# Altium PCB PCB_UDC_PlacaControle_V2.0.PcbDoc (part 2 of 7)
Units mm, origin at the board's own origin, x right, y up, seen from the top; angles counter-clockwise.
Board outline 161.76 x 100.25 mm, 6 copper layers (Top Layer, GND, Signal 1, Signal 2, VCC, Bottom Layer); 548 components, 515 nets, 2193 pads, 1225 vias.
Unrouted connection lines stored in the file: 7.
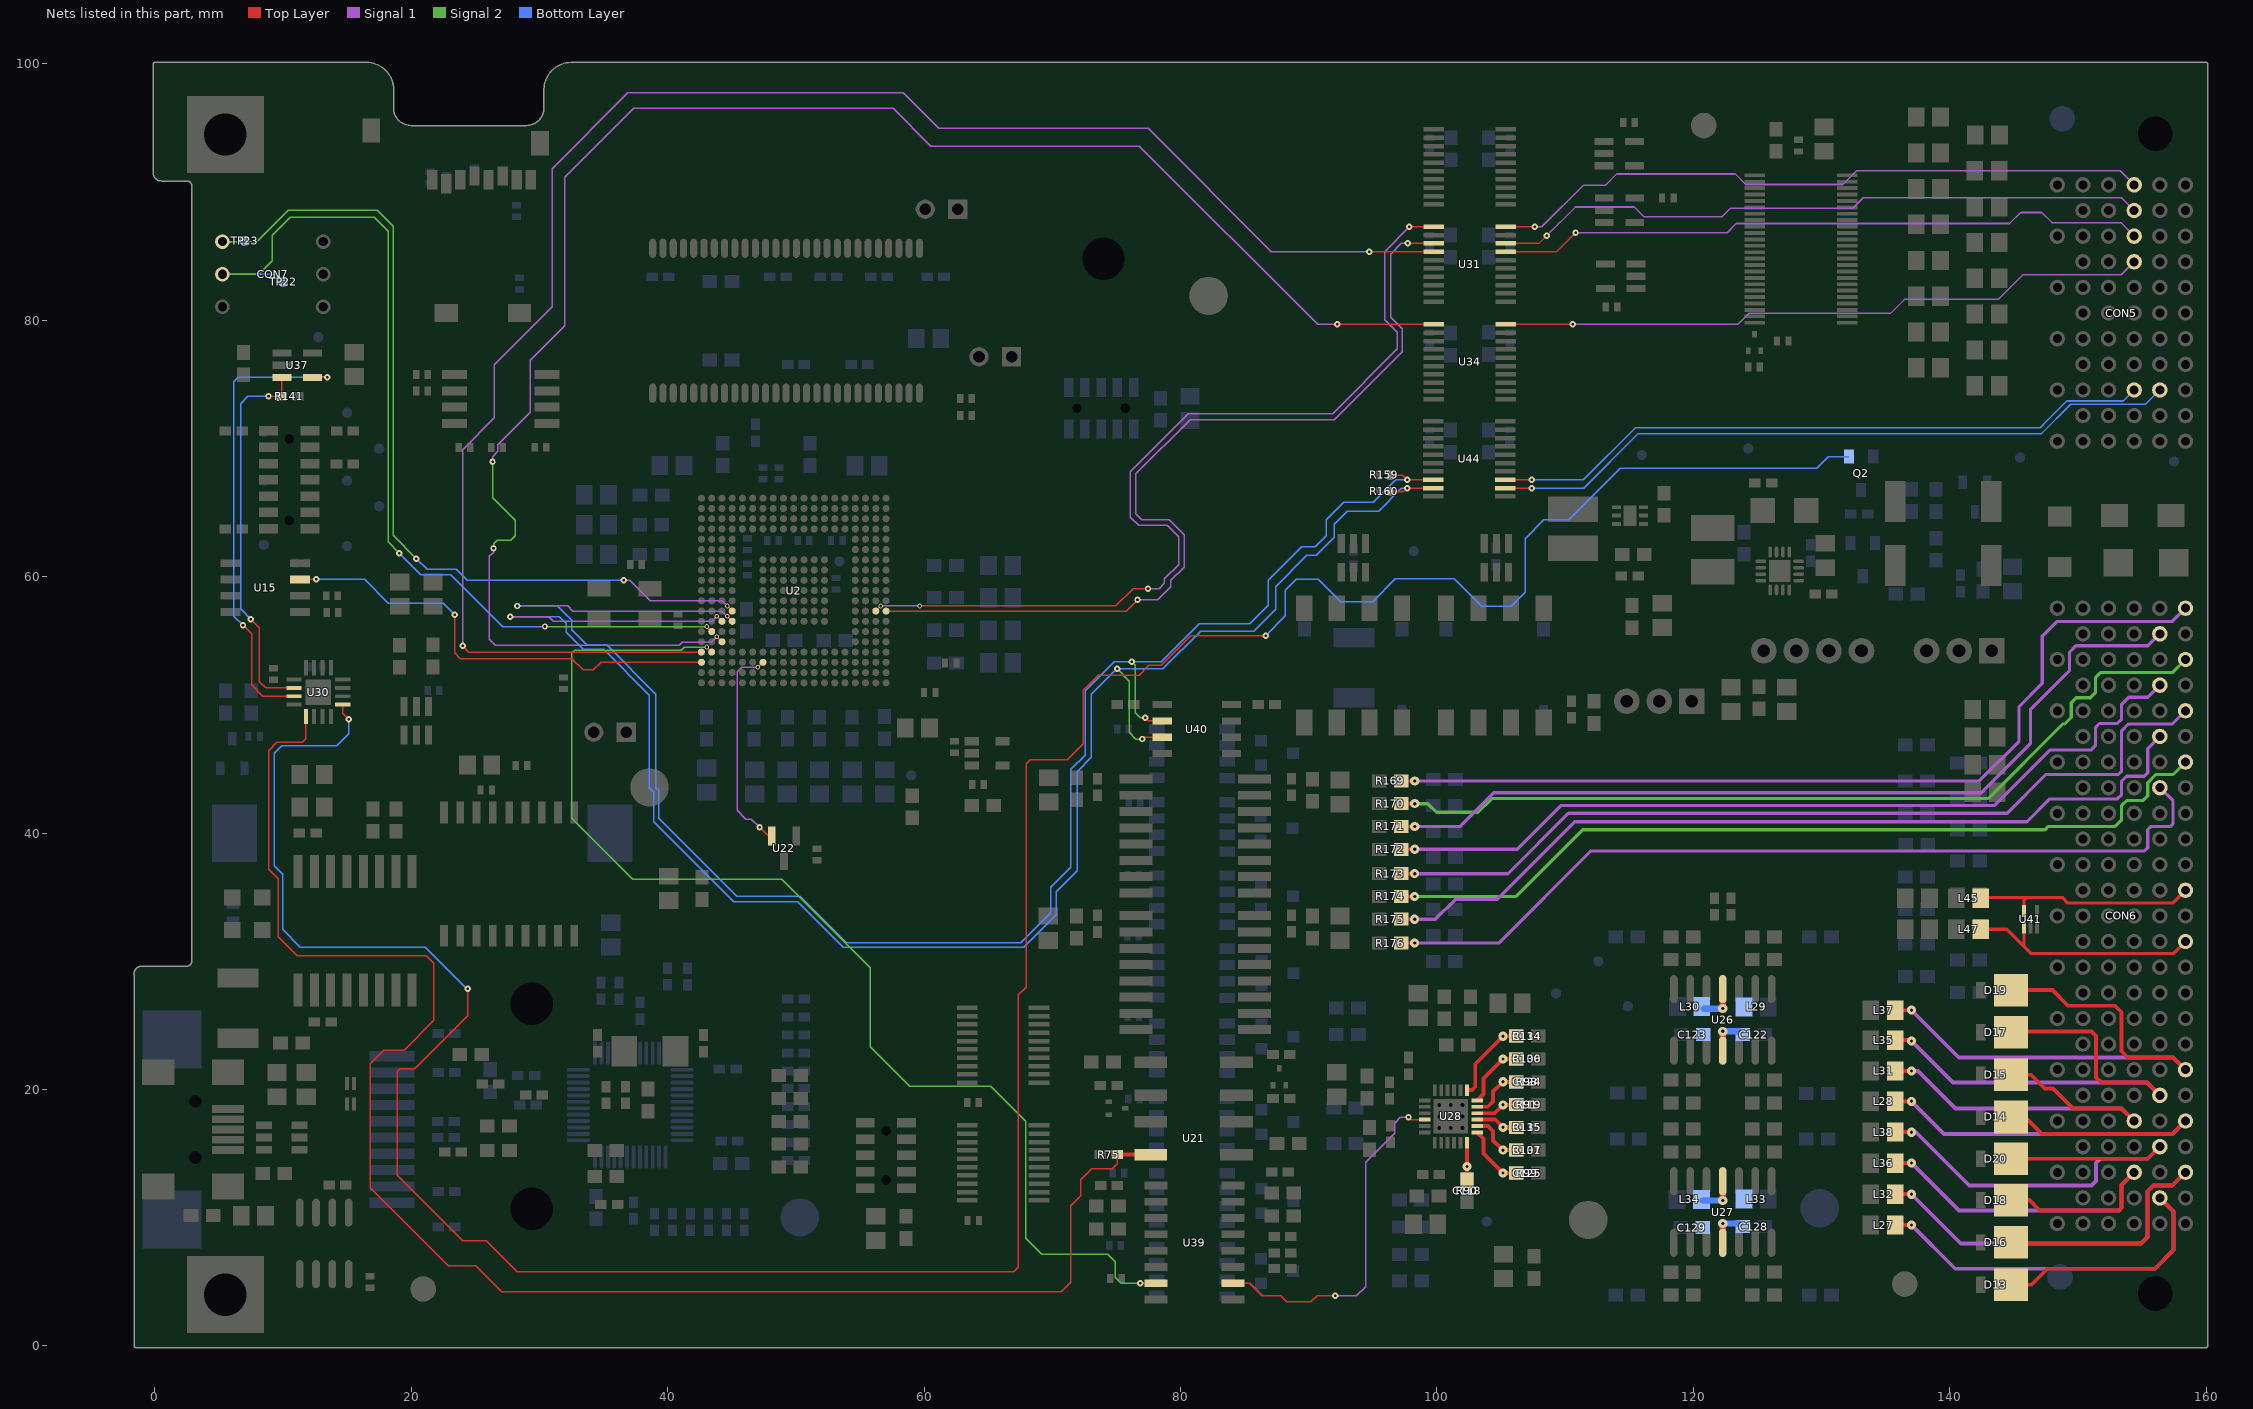
[diagram p6: the nets of this part, all layers, seen from the top]

## Footprints (in the part's own frame and the unit in brackets; to place one, negate y for a bottom-side part, rotate by r counter-clockwise, add the part's x,y. Pads: shape width x height; smd on the part's side, far side on the other; paste and mask are expansions set on the pad) (continued)
RGT16-1700X1700TP [mm] "QFN, 16-Leads, Body 3x3mm, Pitch 0.5mm, Thermal Pad 1.7x1.7mm, TI Recommended"
  oval 0.85x0.28 smd paste-0.025 mask+0.07: 1(-1.475,0.75) 2(-1.475,0.25) 3(-1.475,-0.25) 4(-1.475,-0.75) 9(1.475,-0.75) 10(1.475,-0.25) 11(1.475,0.25) 12(1.475,0.75)
  oval 0.28x0.85 smd paste-0.025 mask+0.07: 5(-0.75,-1.475) 6(-0.25,-1.475) 7(0.25,-1.475) 8(0.75,-1.475) 13(0.75,1.475) 14(0.25,1.475) 15(-0.25,1.475) 16(-0.75,1.475)
  rect 1.7x1.7 smd paste-0.85 mask+0.07: 17(0,0)
  silkscreen extent -2.5,-1.73 1.73,1.73, body extent -1.57,-1.57 1.58,1.58, height 1
SC75_SOT416 [mm]
  rect 0.356x0.508 smd: 1(0,0) 2(1,0) 3(0.5,1.295)
  silkscreen extent -0.38,0.38 1.4,1.14, body extent -0.29,-0.17 1.31,1.43, height 0.78
SIP3 [mm]
  rect 2x2 hole 1: 1(0,0)
  round 2 hole 1: 2(0,2.54) 3(0,5.08)
  silkscreen extent -6.5,-3.43 3.08,8.26, body extent -5.39,-3.21 2.16,8.29, height 10.25
SIP7 [mm] "8-SIP Module (7 Leads)"
  rect 2x2 hole 1: 1(0,-8.89)
  round 2 hole 1: 2(0,-6.35) 3(0,-3.81) 5(0,1.27) 6(0,3.81) 7(0,6.35) 8(0,8.89)
  silkscreen extent -3.2,-10.89 6,10.91, body extent -3.33,-11.15 5.87,10.65, height 11.1
SMAJ16A [mm]
  rect 2.1x1.8 smd: A(2.2,0) K(-2.2,0)
  silkscreen extent -3.94,-1.38 3.56,1.53, body extent -2.46,-1.27 2.47,1.27, height 2
SO16 [mm]
  rect 1.8x0.6 smd: 1(-3,4.445) 2(-3,3.175) 3(-3,1.905) 4(-3,0.635) 5(-3,-0.635) 6(-3,-1.905) 7(-3,-3.175) 8(-3,-4.445) 9(3,-4.445) 10(3,-3.175) 11(3,-1.905) 12(3,-0.635) 13(3,0.635) 14(3,1.905) 15(3,3.175) 16(3,4.445)
  silkscreen extent -3.12,-5.08 1.91,5.42, body extent -3.07,-4.99 3.07,4.98, height 1.77
SOIC08D [mm]
  rect 1.5x0.55 smd: 1(-2.7,1.905) 2(-2.7,0.635) 3(-2.7,-0.635) 4(-2.7,-1.905) 5(2.7,-1.905) 6(2.7,-0.635) 7(2.7,0.635) 8(2.7,1.905)
  silkscreen extent -3.17,-2.7 2.22,2.92, body extent -3,-2.45 3,2.45, height 1.75
SOIC08W [mm]
  rect 1.95x0.7 smd: 1(-3.6,1.905) 2(-3.6,0.635) 3(-3.6,-0.635) 4(-3.6,-1.905) 5(3.6,-1.905) 6(3.6,-0.635) 7(3.6,0.635) 8(3.6,1.905)
  silkscreen extent -3.72,-2.7 2.22,2.93, body extent -4.2,-2.69 4.2,2.69, height 2.3
SOIC16_Wb [mm]
  rect 2.6x0.7 smd: 1(-4.625,4.445) 2(-4.625,3.175) 3(-4.625,1.905) 4(-4.625,0.635) 5(-4.625,-0.635) 6(-4.625,-1.905) 7(-4.625,-3.175) 8(-4.625,-4.445) 9(4.625,-4.445) 10(4.625,-3.175) 11(4.625,-1.905) 12(4.625,-0.635) 13(4.625,0.635) 14(4.625,1.905) 15(4.625,3.175) 16(4.625,4.445)
  silkscreen extent -4.75,-5.25 2.93,5.47, body extent -5.31,-5.25 5.32,5.25, height 2.67
SOIC127P600X175-8N [mm] "SOIC 8, Pitch 1.27mm - Body 4x5mm, IPC Medium Density"
  rect 1.55x0.6 smd: 1(-2.7,1.905) 2(-2.7,0.635) 3(-2.7,-0.635) 4(-2.7,-1.905) 5(2.7,-1.905) 6(2.7,-0.635) 7(2.7,0.635) 8(2.7,1.905)
  silkscreen extent -2.52,-2.5 1.55,2.88, body extent -3.1,-2.5 3.1,2.5, height 1.75
SOT23 [mm]
  rect 1.1x0.8 smd: 1(-1.3,0.95) 2(-1.3,-0.95) 3(1.3,0)
  silkscreen extent -1.42,-1.5 0.7,2.02, body extent -1.25,-1.46 1.23,1.46, height 1.02
SOT23-6 [mm]
  rect 1.25x0.6 smd: 1(-1.375,0.95) 2(-1.375,0) 3(-1.375,-0.95) 4(1.375,-0.95) 5(1.375,0) 6(1.375,0.95)
  silkscreen extent -1.5,-1.5 0.35,1.97, body extent -1.48,-1.52 1.52,1.52, height 1.38
SOT95P240X130-3N [mm] "SOT23 3-Leads, Pitch 0.95mm - Body 1.3x2.9mm, IPC Medium Density"
  rect 1.05x0.65 smd: 1(-1.15,0.95) 2(-1.15,-0.95) 3(1.15,0)
  silkscreen extent -1.52,-1.45 0.3,1.92, body extent -1.25,-1.5 1.25,1.5, height 1.3
SOT-23 [mm] "SOT-23; 3 Leads; Body 3.0 x 2.6 mm, inc. leads (LxW max)"
  rect 0.9x0.95 smd: 1(-0.95,-1.25) 2(0.95,-1.25) 3(0,1.25)
  silkscreen extent -2.07,-1.37 1.3,1.25
SOT-23-TT3_N [mm] "SOT23, 3-Leads, Body 2.9x1.3mm, Pitch 0.95mm, Lead Span 2.4mm, IPC Medium Density"
  rect 1.5x0.6 smd: 1(-0.95,0.95) 2(-0.95,-0.95) 3(0.95,0)
  silkscreen extent -1.07,-1.5 0.7,1.93, body extent -0.7,-1.5 0.7,1.5, height 1.12
SOX18 [mm] "SOP, 18-Leads, Body 11,7x7,7mm (max), Pitch 1,27mm, IPC Medium Density"
  rect 1.7x0.6 smd: 1(-4.8,5.08) 2(-4.8,3.81) 3(-4.8,2.54) 4(-4.8,1.27) 5(-4.8,0) 6(-4.8,-1.27) 7(-4.8,-2.54) 8(-4.8,-3.81) 9(-4.8,-5.08) 10(4.8,-5.08) 11(4.8,-3.81) 12(4.8,-2.54) 13(4.8,-1.27) 14(4.8,0) 15(4.8,1.27) 16(4.8,2.54) 17(4.8,3.81) 18(4.8,5.08)
  silkscreen extent -4.92,-5.85 3.55,6.05, body extent -5.15,-5.77 5.15,5.76, height 2.65
TI-D14_N [mm] "SOIC, 14-Leads, Body 8.65x3.9mm, Pitch 1.27mm, IPC Medium Density"
  oval 2.2x0.6 smd: 1(-2.4,3.81) 2(-2.4,2.54) 3(-2.4,1.27) 4(-2.4,0) 5(-2.4,-1.27) 6(-2.4,-2.54) 7(-2.4,-3.81) 8(2.4,-3.81) 9(2.4,-2.54) 10(2.4,-1.27) 11(2.4,0) 12(2.4,1.27) 13(2.4,2.54) 14(2.4,3.81)
  silkscreen extent -2.52,-4.4 0.9,4.78, body extent -2,-4.38 2,4.38, height 1.75
TI-PT48_N [mm] "Thin QFP, 48-Leads, Body 7x7mm, Pitch 0.5mm, IPC Medium Density"
  oval 1.8x0.3 smd: 1(-4.05,2.75) 2(-4.05,2.25) 3(-4.05,1.75) 4(-4.05,1.25) 5(-4.05,0.75) 6(-4.05,0.25) 7(-4.05,-0.25) 8(-4.05,-0.75) 9(-4.05,-1.25) 10(-4.05,-1.75) 11(-4.05,-2.25) 12(-4.05,-2.75) 25(4.05,-2.75) 26(4.05,-2.25) 27(4.05,-1.75) 28(4.05,-1.25) 29(4.05,-0.75) 30(4.05,-0.25) 31(4.05,0.25) 32(4.05,0.75) 33(4.05,1.25) 34(4.05,1.75) 35(4.05,2.25) 36(4.05,2.75)
  oval 0.3x1.8 smd: 13(-2.75,-4.05) 14(-2.25,-4.05) 15(-1.75,-4.05) 16(-1.25,-4.05) 17(-0.75,-4.05) 18(-0.25,-4.05) 19(0.25,-4.05) 20(0.75,-4.05) 21(1.25,-4.05) 22(1.75,-4.05) 23(2.25,-4.05) 24(2.75,-4.05) 37(2.75,4.05) 38(2.25,4.05) 39(1.75,4.05) 40(1.25,4.05) 41(0.75,4.05) 42(0.25,4.05) 43(-0.25,4.05) 44(-0.75,4.05) 45(-1.25,4.05) 46(-1.75,4.05) 47(-2.25,4.05) 48(-2.75,4.05)
  silkscreen extent -4.17,-2.75 2.75,3.58, body extent -3.5,-3.5 3.5,3.5, height 1.6
TP_SMD_0.8MM#1 [mm]
  round 0.8 smd paste-1: 1(0,0)
  silkscreen extent -0.55,-0.55 0.55,0.55
TP_SMD_0.8MM#2 [mm]
  round 0.8 smd paste-1: 1(0.028,-0.014)
  silkscreen extent -0.55,-0.55 0.55,0.55
TSSOP48 [mm]
  rect 1.6x0.3 smd: 1(-3.6,5.75) 2(-3.6,5.25) 3(-3.6,4.75) 4(-3.6,4.25) 5(-3.6,3.75) 6(-3.6,3.25) 7(-3.6,2.75) 8(-3.6,2.25) 9(-3.6,1.75) 10(-3.6,1.25) 11(-3.6,0.75) 12(-3.6,0.25) 13(-3.6,-0.25) 14(-3.6,-0.75) 15(-3.6,-1.25) 16(-3.6,-1.75) 17(-3.6,-2.25) 18(-3.6,-2.75) 19(-3.6,-3.25) 20(-3.6,-3.75) 21(-3.6,-4.25) 22(-3.6,-4.75) 23(-3.6,-5.25) 24(-3.6,-5.75) 25(3.6,-5.75) 26(3.6,-5.25) 27(3.6,-4.75) 28(3.6,-4.25) 29(3.6,-3.75) 30(3.6,-3.25) 31(3.6,-2.75) 32(3.6,-2.25) 33(3.6,-1.75) 34(3.6,-1.25) 35(3.6,-0.75) 36(3.6,-0.25) 37(3.6,0.25) 38(3.6,0.75) 39(3.6,1.25) 40(3.6,1.75) 41(3.6,2.25) 42(3.6,2.75) 43(3.6,3.25) 44(3.6,3.75) 45(3.6,4.25) 46(3.6,4.75) 47(3.6,5.25) 48(3.6,5.75)
  silkscreen extent -3.73,-6.3 2.4,6.57, body extent -4.05,-6.25 4.05,6.25, height 1.1
VQFN24 [mm]
  rect 0.9x0.3 smd: 1(-2.05,1.25) 2(-2.05,0.75) 3(-2.05,0.25) 4(-2.05,-0.25) 5(-2.05,-0.75) 6(-2.05,-1.25) 13(2.05,-1.25) 14(2.05,-0.75) 15(2.05,-0.25) 16(2.05,0.25) 17(2.05,0.75) 18(2.05,1.25)
  rect 0.3x0.9 smd: 7(-1.25,-2.05) 8(-0.75,-2.05) 9(-0.25,-2.05) 10(0.25,-2.05) 11(0.75,-2.05) 12(1.25,-2.05) 19(1.25,2.05) 20(0.75,2.05) 21(0.25,2.05) 22(-0.25,2.05) 23(-0.75,2.05) 24(-1.25,2.05)
  round 0.6 hole 0.3: 25(-0.9,-0.9) 25(-0.9,0) 25(-0.9,0.9) 25(0,0.9) 25(0,0) 25(0,-0.9) 25(0.9,-0.9) 25(0.9,0) 25(0.9,0.9)
  rect 2.7x2.7 smd: 25(0,0)
  silkscreen extent -3.17,-2.1 2.1,2.1, body extent -2.05,-2.07 2.05,2.03, height 1.07
ZWT289 [mm]
  round 0.55 smd: A1(-7.2,7.2) A2(-6.4,7.2) A3(-5.6,7.2) A4(-4.8,7.2) A5(-4,7.2) A6(-3.2,7.2) A7(-2.4,7.2) A8(-1.6,7.2) A9(-0.8,7.2) A10(0,7.2) A11(0.8,7.2) A12(1.6,7.2) A13(2.4,7.2) A14(3.2,7.2) A15(4,7.2) A16(4.8,7.2) A17(5.6,7.2) A18(6.4,7.2) A19(7.2,7.2) B1(-7.2,6.4) B2(-6.4,6.4) B3(-5.6,6.4) B4(-4.8,6.4) B5(-4,6.4) B6(-3.2,6.4) B7(-2.4,6.4) B8(-1.6,6.4) B9(-0.8,6.4) B10(0,6.4) B11(0.8,6.4) B12(1.6,6.4) B13(2.4,6.4) B14(3.2,6.4) B15(4,6.4) B16(4.8,6.4) B17(5.6,6.4) B18(6.4,6.4) B19(7.2,6.4) C1(-7.2,5.6) C2(-6.4,5.6) C3(-5.6,5.6) C4(-4.8,5.6) C5(-4,5.6) C6(-3.2,5.6) C7(-2.4,5.6) C8(-1.6,5.6) C9(-0.8,5.6) C10(0,5.6) C11(0.8,5.6) C12(1.6,5.6) C13(2.4,5.6) C14(3.2,5.6) C15(4,5.6) C16(4.8,5.6) C17(5.6,5.6) C18(6.4,5.6) C19(7.2,5.6) D1(-7.2,4.8) D2(-6.4,4.8) D3(-5.6,4.8) D4(-4.8,4.8) D5(-4,4.8) D6(-3.2,4.8) D7(-2.4,4.8) D8(-1.6,4.8) D9(-0.8,4.8) D10(0,4.8) D11(0.8,4.8) D12(1.6,4.8) D13(2.4,4.8) D14(3.2,4.8) D15(4,4.8) D16(4.8,4.8) D17(5.6,4.8) D18(6.4,4.8) D19(7.2,4.8) E1(-7.2,4) E2(-6.4,4) E3(-5.6,4) E4(-4.8,4) E16(4.8,4) E17(5.6,4) E18(6.4,4) E19(7.2,4) F1(-7.2,3.2) F2(-6.4,3.2) F3(-5.6,3.2) F4(-4.8,3.2) F16(4.8,3.2) F17(5.6,3.2) F18(6.4,3.2) F19(7.2,3.2) G1(-7.2,2.4) G2(-6.4,2.4) G3(-5.6,2.4) G4(-4.8,2.4) G7(-2.4,2.4) G8(-1.6,2.4) G9(-0.8,2.4) G10(0,2.4) G11(0.8,2.4) G12(1.6,2.4) G13(2.4,2.4) G16(4.8,2.4) G17(5.6,2.4) G18(6.4,2.4) G19(7.2,2.4) H1(-7.2,1.6) H2(-6.4,1.6) H3(-5.6,1.6) H4(-4.8,1.6) H7(-2.4,1.6) H8(-1.6,1.6) H9(-0.8,1.6) H10(0,1.6) H11(0.8,1.6) H12(1.6,1.6) H13(2.4,1.6) H16(4.8,1.6) H17(5.6,1.6) H18(6.4,1.6) H19(7.2,1.6) J1(-7.2,0.8) J2(-6.4,0.8) J3(-5.6,0.8) J4(-4.8,0.8) J7(-2.4,0.8) J8(-1.6,0.8) J9(-0.8,0.8) J10(0,0.8) J11(0.8,0.8) J12(1.6,0.8) J13(2.4,0.8) J16(4.8,0.8) J17(5.6,0.8) J18(6.4,0.8) J19(7.2,0.8) K1(-7.2,0) K2(-6.4,0) K3(-5.6,0) K4(-4.8,0) K7(-2.4,0) K8(-1.6,0) K9(-0.8,0) K10(0,0) K11(0.8,0) K12(1.6,0) K13(2.4,0) K16(4.8,0) K17(5.6,0) K18(6.4,0) K19(7.2,0) L1(-7.2,-0.8) L2(-6.4,-0.8) L3(-5.6,-0.8) L4(-4.8,-0.8) L7(-2.4,-0.8) L8(-1.6,-0.8) L9(-0.8,-0.8) L10(0,-0.8) L11(0.8,-0.8) L12(1.6,-0.8) L13(2.4,-0.8) L16(4.8,-0.8) L17(5.6,-0.8) L18(6.4,-0.8) L19(7.2,-0.8) M1(-7.2,-1.6) M2(-6.4,-1.6) M3(-5.6,-1.6) M4(-4.8,-1.6) M7(-2.4,-1.6) M8(-1.6,-1.6) M9(-0.8,-1.6) M10(0,-1.6) M11(0.8,-1.6) M12(1.6,-1.6) M13(2.4,-1.6) M16(4.8,-1.6) M17(5.6,-1.6) M18(6.4,-1.6) M19(7.2,-1.6) N1(-7.2,-2.4) N2(-6.4,-2.4) N3(-5.6,-2.4) N4(-4.8,-2.4) N7(-2.4,-2.4) N8(-1.6,-2.4) N9(-0.8,-2.4) N10(0,-2.4) N11(0.8,-2.4) N12(1.6,-2.4) N13(2.4,-2.4) N16(4.8,-2.4) N17(5.6,-2.4) N18(6.4,-2.4) N19(7.2,-2.4) P1(-7.2,-3.2) P2(-6.4,-3.2) P3(-5.6,-3.2) P4(-4.8,-3.2) P16(4.8,-3.2) P17(5.6,-3.2) P18(6.4,-3.2) P19(7.2,-3.2) R1(-7.2,-4) R2(-6.4,-4) R3(-5.6,-4) R4(-4.8,-4) R16(4.8,-4) R17(5.6,-4) R18(6.4,-4) R19(7.2,-4) T1(-7.2,-4.8) T2(-6.4,-4.8) T3(-5.6,-4.8) T4(-4.8,-4.8) T5(-4,-4.8) T6(-3.2,-4.8) T7(-2.4,-4.8) T8(-1.6,-4.8) T9(-0.8,-4.8) T10(0,-4.8) T11(0.8,-4.8) T12(1.6,-4.8) T13(2.4,-4.8) T14(3.2,-4.8) T15(4,-4.8) T16(4.8,-4.8) T17(5.6,-4.8) T18(6.4,-4.8) T19(7.2,-4.8) U1(-7.2,-5.6) U2(-6.4,-5.6) U3(-5.6,-5.6) U4(-4.8,-5.6) U5(-4,-5.6) U6(-3.2,-5.6) U7(-2.4,-5.6) U8(-1.6,-5.6) U9(-0.8,-5.6) U10(0,-5.6) U11(0.8,-5.6) U12(1.6,-5.6) U13(2.4,-5.6) U14(3.2,-5.6) U15(4,-5.6) U16(4.8,-5.6) U17(5.6,-5.6) U18(6.4,-5.6) U19(7.2,-5.6) V1(-7.2,-6.4) V2(-6.4,-6.4) V3(-5.6,-6.4) V4(-4.8,-6.4) V5(-4,-6.4) V6(-3.2,-6.4) V7(-2.4,-6.4) V8(-1.6,-6.4) V9(-0.8,-6.4) V10(0,-6.4) V11(0.8,-6.4) V12(1.6,-6.4) V13(2.4,-6.4) V14(3.2,-6.4) V15(4,-6.4) V16(4.8,-6.4) V17(5.6,-6.4) V18(6.4,-6.4) V19(7.2,-6.4) W1(-7.2,-7.2) W2(-6.4,-7.2) W3(-5.6,-7.2) W4(-4.8,-7.2) W5(-4,-7.2) W6(-3.2,-7.2) W7(-2.4,-7.2) W8(-1.6,-7.2) W9(-0.8,-7.2) W10(0,-7.2) W11(0.8,-7.2) W12(1.6,-7.2) W13(2.4,-7.2) W14(3.2,-7.2) W15(4,-7.2) W16(4.8,-7.2) W17(5.6,-7.2) W18(6.4,-7.2) W19(7.2,-7.2)
  silkscreen extent -8.3,-8.3 8.3,8.3, body extent -8.05,-8.05 8.05,8.05, height 1.5

## Part data
BT1: "HOLDER COIN CELL 2032 SMD"
C1 C2 C3 C4 C8 C9 C10 C12 C15 C16 C17 C18 C23 C24 C29 C30 C35 C36 C41 C42 C45 C46 C47 C48 C49 C50 C51 C52 C53 C54 C57 C62 C64 C68 C70 C73 C75 C104 C105 C108 C109 C111 C115 C141 C142 C145 C148 C149 C152 C153 C155 C156 C158 C159 C161 C162 C163 C167 C169 C170 C172 C173 C174 C175 C176 C177 C179 C180 C183 C184 C186 C190 C191: library part "Cap Ceram 0402", "CAP CER 0.1UF 10V 10% X5R 0402"
C5 C6: library part "Cap Ceram 0402", "CAP CER 10PF 50V 5% NP0 0402"
C7 C43 C44 C55 C56 C74 C76 C146 C164 C178 C181 C182 C185 C188 C189: library part "Cap Ceram 0603", "CAP CER 10UF 16V 20% X5R 0603"
C11 C14 C69 C143 C144 C147 C150 C151 C154 C157 C160 C168 C171 C187 C192: library part "Cap Ceram 0603", "CAP CER 1UF 16V 10% X7R 0603"
C13: library part "Cap Ceram 0402", "CAP CER 10000PF 16V 10% X7R 0402"
C19 C20 C21 C22 C25 C26 C27 C28 C31 C32 C33 C34 C37 C38 C39 C40 C65 C66 C72 C112 C114 C122 C123 C128 C129 C166: library part "Cap Ceram 0603", "CAP CER 0.1UF 50V 10% X7R 0603"
C58 C59: library part EEE-HAV101XAP, "CAP ALUM 100UF 35V 20% SMD"
C60 C71 C110 C113 C165: library part "Cap Ceram 0805", "CAP CER 10UF 35V 10% X5R 0805"
C61: library part "Cap Ceram 1206", "CAP CER 22UF 16V 20% X5R 1206"
C63: library part "Cap Ceram 0402", "CAP CER 3300PF 25V 10% X7R 0402"
C67 C117: library part "Cap Ceram 1812", "CAP CER 10000PF 1.5KV X7R 1812"
C77 C78 C79 C88 C89 C90 C91 C92 C93 C94 C95 C96 C97 C98 C99 C100 C101 C102 C103: library part "Cap Ceram 0603", "CAP CER 2.2UF 10V 10% X7R 0603"
C80 C81 C82 C83 C84 C85 C86 C87: library part "Cap Ceram 0402", "CAP CER 0.47UF 6.3V 10% X5R 0402"
C106 C107: library part "Cap Ceram 0402", "CAP CER 15PF 50V 5% NP0 0402"
C116: library part "Cap Ceram 0603", "CAP CER 1000PF 50V 10% X7R 0603"
C118 C119 C124 C125 C130 C131 C134 C135: library part "Cap Ceram 0603", "CAP CER 1200PF 25V 5% NP0 0603"
C120 C121 C126 C127 C132 C133 C136 C137: library part "Cap Ceram 0603", "CAP CER 0.18UF 25V 10% X7R 0603"
C138 C139 C140: library part "Cap Ceram 0603", "CAP CER 1UF 50V 20% X5R 0603"
CON1: "Conector RJ45 Ethernet, com trafo, SMD, LINK-PP"
CON2: "CONN MICRO SD CARD PUSH-PUSH R/A"
CON3: "CONN RCPT 14POS DUAL .05\" SMD"
CON4: "SAMTEC - MUSB-05-S-B-SM-A-K-TR - CONNECTOR, MINI USB B, RECEPTACLE, SMT"
CON5: library part ERNI_374047
CON6: library part ERNI_354144
CON7: "CONN RCPT 6POS .100\" DUAL HORZ"
CON8 CON10: "CONN RCPT 10POS DUAL .05\" SMD"
CON9 CON11 TP1: "Header, 2-Pin"
D1 D2 D3 D4 D5 D6 D7 D8: "DIODE ARRAY 85V 140MA SOT23"
D9: "DIODE GEN PURP 50V 2A DO214AA"
D10: "TVS DIODE 16VWM SMD"
D11 D12: "Diode Zener Anode Pin 1 Cathode Pin 3 (Pas de pin 2)"
D13 D14 D15 D16 D17 D18 D19 D20: "TVS DIODE 10VWM 18VC POWRMITE1"
L1 L5 L7 L8 L9 L10 L43 L48 L49 L50 L51 L53 L54: library part "Ferrite Bead 0805", "FERRITE CHIP 220 OHM 0805"
L2: library part "Indutor 2.2uH 2A", "FIXED IND 2.2UH 1.72A 59 MOHM"
L3: library part "Indutor 3.3uH 2.9A", "Fixed Inductors Power Inductor 3.3 uH 20 % 5.2 A"
L4: library part BLM41PG600SN1L, "FERRITE CHIP 60 OHM 6000MA 1806"
L6 L23 L24 L26 L27 L28 L29 L30 L31 L32 L33 L34 L35 L36 L37 L38 L39 L40 L41 L42 L52: library part "Ferrite Bead 0805", "FERRITE BEAD,SMD 0805,220 OHMS"
L11 L12 L13 L14 L15 L16 L17 L18 L19 L20 L21 L22: library part "Ferrite Bead 0805", "FERRITE BEAD 60 OHM 0805"
L25: "CHOKE COIL COMMON MODE 150MA SMD"
L44 L45 L46 L47: library part "Ferrite Bead 0805", "FERRITE CHIP 1000 OHM 400MA 0603"
LD1 LD2 LD3 LD4 LD5 LD6: "LED SUPER RED CLEAR 0805 SMD"
Q1: "TRANS PREBIAS PNP 246MW SOT23-3"
Q2: "TRANS PREBIAS NPN 246MW SOT23-3"
Q3 Q4 Q5: "MOSFET N-CH 30V 154MA SOT-416"
R1 R2 R3 R4 R88 R89 R96 R97 R104 R105 R112 R113 R147 R148 R169 R170 R171 R172 R173 R174 R175 R176: library part "Resistor 0603", "RES 49.9 OHM 1/10W .1% 0603 SMD"
R5 R6 R7 R8 R9 R10 R11 R12 R13 R14 R15 R17 R18 R19 R20 R21 R22: library part "Resistor 0402", "RES 33 OHM 1/16W 5% 0402 SMD"
R16 R30 R31 R32 R33 R34: library part "Resistor 0603", "RES SMD 2.2K OHM 5% 1/10W 0603"
R23 R24 R25 R26 R29 R77 R82 R83: library part "Resistor 0402", "RES 2.21K OHM 1/10W 1% 0402 SMD"
R27 R28 R38: library part "Resistor 0402", "RES 330 OHM 1/16W 5% 0402 SMD"
R35: library part "Resistor 0603", "RES 4.87K OHM 1/10W 1% 0603 SMD"
R36 R37 R60 R61 R62 R63 R64 R66 R73 R75 R121 R138 R139 R141 R178 R179 R180: library part "Resistor 0402", "RES 10K OHM 1/16W 5% 0402 SMD"
R39 R40 R41 R42 R43 R44 R45 R46 R47 R48 R49 R50 R51 R52 R53 R54: library part "Resistor 0603", "RES 330 OHM 1/10W 5% 0603 SMD"
R57 R58 R59 R65 R149 R150 R151 R152 R153 R154 R155 R156: library part "Resistor 0402", "RES 49.9 OHM 1/10W 1% 0402 SMD"
R67 R84 R85 R157 R158 R159 R160: library part "Resistor 0402", "RES 4.99K OHM 1/10W 1% 0402 SMD"
R68 R94 R95 R102 R103 R110 R111 R118 R119: library part "Resistor 0603", "RES,SMD 0603,100K OHM,5%,1/10 WATT"
R69 R70 R71: library part "Resistor 0603", "RES 10K OHM 1/10W 1% 0603 SMD"
R72: library part "Resistor 0603", "RES 2.00K OHM 1/8W 1% SMD 0603"
R74 R142 R143 R144 R145 R146 R177: library part "Resistor 0603", "RES 499 OHM 1/10W 1% 0603 SMD"
R76: library part "Resistor 0603", "RES 1.00K OHM 1/8W 1% SMD 0603"
R78 R79 R80 R81: library part "Resistor 0402", "RES SMD 57.6K OHM 1% 1/10W 0402"
R86 R87: library part "Resistor 0603", "RES 24 OHM 1/10W 1% 0603 SMD"
R90 R91 R98 R99 R106 R107 R114 R115: library part "Resistor 0603", "RES SMD 20 OHM 1% 1/10W 0603"
R92 R93 R100 R101 R108 R109 R116 R117: library part "Resistor 0603", "RES 180 OHM 1/10W 1% 0603 SMD"
R122 R123 R124 R125 R126 R127 R128 R129 R130 R131 R132 R133 R134 R135 R136 R137: library part "Resistor 0805", "RES 110 OHM 1/8W 5% 0805 SMD"
R161 R162 R165 R166: library part "Resistor 0603", "RES 680 OHM 1/10W 5% 0603 SMD"
R163 R164 R167 R168: library part "Resistor 0805", "RES 160 OHM 1/2W 5% 0805 SMD"
SW1: "SWITCH TACTILE SPST-NO 0.1A 24V"
TP2 TP3 TP4 TP5 TP6 TP7 TP8 TP9 TP10 TP11 TP12 TP13 TP14 TP15 TP16 TP17 TP18 TP19 TP20 TP21 TP22 TP23: "Test Point SMD diâmetro de 0,8mm"
U1: "Industrial Temp, Single Port 10/100 Mb/s Ethernet Physical Layer Transceiver, -40 to 85 degC, 48-Pin LQFP (PT), Green (RoHS & no Sb/Br)"
U2: library part F28M36P63C2_ZWT_, "ARM Microcontrollers - MCU Concerto Microcntrlr"
U3 U4 U5 U6 U7 U8 U9 U10: "ISOLATOR 2.5KVRMS 2CH TOTEM 8SO"
U11 U12: "IC INVERTER 8-INPUT 20TSSOP"
U13: library part MICT-MT48LC32M16A2P-54, "IC SDRAM 512MBIT 133MHZ 54TSOP"
U14: "IC FLASH 128MBIT 104MHZ 8SOIC"
U15: "IC EEPROM 64KBIT 1MHZ 8SOIC"
U16: "Buck Step Down Regulator with 2.3 to 6 V Input and 3.3 V Output, -40 to 85 degC, 6-Pin SON (DRV), Green (RoHS & no Sb/Br)"
U17: "Buck Step Down Regulator with 3 to 17 V Input and 5 V Output, -40 to 85 degC, 16-Pin QFN (RGT), Green (RoHS & no Sb/Br)"
U18: "Tiny Power On Reset Circuit, 5-pin SOT-23"
U19: "CONV DC/DC 5V 500MA OUT THRU"
U20: "CONV DC/DC 2W 4.5-9VIN +/-15V"
U21 U51: "OPTOISO 3.75KV TRANSISTOR 4SOIC"
U22: "Low-Power Linear Active Thermistor IC, 3-Pin SOT-23, Extended Temperature, Tape and Reel"
U23: "DGTL ISO 2.5KV GEN PURP 8SOIC"
U24: "DGTL ISOLATOR 5KV 2CH USB 16SOIC"
U25: "TVS DIODE 5.25VWM 17VC SOT23-6"
U26 U27: "11 MHz, Single Supply, Low Noise, Precision, Rail-to-Rail Output, JFET Amplifier, 4.5 to 36 V, -40 to 125 degC, 14-pin SOIC (D14), Green (RoHS & no Sb/Br)"
U28: "IC ADC 12B SPI 1MSPS 8CH 24VQFN"
U29 U31 U34 U44: "IC 8-BIT TRNSTR 15KV ESD 20TSSOP"
U30: "IC I/O EXPANDER I2C 8B 16HVQFN"
U32 U33 U35: "IC GATE AND 1CH 2-INP SOT-23-5"
U36: "IC BUFF DVR 16BIT N-INV 48TSSOP"
U37: library part TPS2051B_DBV_5, "IC PWR DIST SWITCH SNGL SOT23-5"
U38 U43 U46: "IC INVERTER DUAL 1INPUT SOT23-6"
U39: "DGTL ISO 3.75KV GEN PURP 16SOIC"
U40: "IC DGTL ISO 4CH I2C 8SOIC"
U41: library part TPD4E002_DRL_5, "TVS DIODE 3VWM SOT5"
U42 U45: "OPTOCPLR LOG-OUT 2CH 5MBD GW SMD"
U47 U49: "DGTL ISO 2.5KV GEN PURP 16SOIC"
U52: "IC RTC CLK/CALENDAR I2C 18-SOX"
X1: library part NX5032GA-25.000000MHZ-LN-CD-1, "CRYSTAL 25MHZ 8PF SMD"
X2: "CRYSTAL 20MHZ 10PF SMD"

## Free pads (board coordinates)
  round 3 smd paste-5: 0(38.583,43.572) 0(82.194,81.915) 0(111.811,9.836)
  round 3 smd far side paste-5: 0(50.317,10.033) 0(82.194,81.915) 0(129.87,10.744)
  round 0 hole 2.7 unplated: 0(156.05,4.092) 0(156.05,94.567)
  round 0 hole 3.3 unplated: MEC(29.4,10.7) MEC(29.4,26.7) MEC(74,84.8)
  rect 6x6 hole 3.3 paste-5: SH(5.5,4) SH(5.5,94.5)

## Via types
v1: diameter 0.711, hole 0.254, Top Layer to Bottom Layer, tented both sides, 600 vias
v2: diameter 0.5, hole 0.2, Top Layer to Bottom Layer, tented both sides, 404 vias
v3: diameter 0.36, hole 0.2, Top Layer to Bottom Layer, tented both sides, 212 vias
v4: diameter 0.5, hole 0.2, Top Layer to Bottom Layer, tented top, 5 vias
v5: diameter 0.5, hole 0.254, Top Layer to Bottom Layer, tented both sides, 2 vias
v6: diameter 0.5, hole 0.2, Top Layer to Bottom Layer, 2 vias

## Nets (pads, with @x,y where several pads share a name; then routed paths per layer and width w, separated by ;. In a path a pad name is that pad's centre, name@x,y a point inside that pad or via, vN(x,y) a via of type N, cw(c..) or ccw(c..) an arc to the next point about the centre after c; other vN are vias at no path point)
+15V_1: C122.2 L29.1 U26.4 | length 2.8
  Top Layer w0.5: U26.4@122.305,23.034 v1(122.305,24.541)
  Bottom Layer w0.5: v1(122.305,24.541) C122.2@123.597,24.541
+15V_2: C128.2 L33.1 U27.4 | length 2.8
  Top Layer w0.5: U27.4@122.301,8.048 v1@122.301,9.551
  Bottom Layer w0.5: v1(122.305,9.555) C128.2@123.597,9.555
-15V_1: C123.1 L30.1 U26.11 | length 3
  Top Layer w0.5: v1(122.305,26.319) U26.11@122.305,27.834
  Bottom Layer w0.5: L30.1@120.828,26.319 v1(122.305,26.319)
-15V_2: C129.1 L34.1 U27.11 | length 3.1
  Top Layer w0.5: v1(122.301,11.348) U27.11@122.301,12.848
  Bottom Layer w0.5: L34.1@120.721,11.348 v1(122.301,11.348)
ADC_AD: U28.22 U39.10 | length 29.2
  Top Layer w0.102: U39.10@84.084,4.894 85.402,4.894 86.386,3.911 87.808,3.911 88.29,3.429 90.171,3.429 90.653,3.911 v2(92.075,3.911) ; v2(97.79,17.843) 97.977,17.656 U28.22@99.041,17.656
  Signal 1 w0.102: 85.402,4.894 86.386,3.911 ; v2(92.075,3.911) 93.726,3.911 94.45,4.634 94.45,14.347 96.703,16.6 96.703,17.391 97.155,17.843 v2(97.79,17.843)
ADC_AD_I: U2.D18 U39.7 | length 94.4
  Top Layer w0.102: v3(43.042,54.521) U2.D18@43.435,54.128 ; v2(76.861,4.894) U39.7@78.084,4.894
  Signal 2 w0.102: v3(43.042,54.521) 41.288,54.521 41.046,54.28 32.766,54.28 32.512,54.026 32.512,41.148 37.262,36.398 48.895,36.398 55.804,29.489 55.804,23.343 58.903,20.244 65.202,20.244 67.92,17.526 67.92,8.407 69.19,7.137 74.346,7.137 74.93,6.553 74.93,5.359 75.395,4.894 v2(76.861,4.894)
AIN0: C134.2 R114.2 U28.13 | length 7.6
  Top Layer w0.3: U28.13@102.341,19.956 102.73,19.956 102.997,20.223 102.997,22.001 v1(105.156,24.16) ; v1@105.124,24.181 C134.2@106.145,24.181
  Bottom Layer w0.3: v1@105.124,24.181 R114.2@106.145,24.181
AIN1: C130.2 R106.2 U28.12 | length 6.1
  Top Layer w0.3: U28.12@103.141,19.156 103.632,19.647 103.632,20.862 v1(105.156,22.386) C130.2@106.198,22.386
  Bottom Layer w0.3: v1(105.156,22.386) R106.2@106.198,22.386
AIN2: C124.2 R98.2 U28.11 | length 5.4
  Top Layer w0.3: U28.11@103.141,18.656 103.975,18.656 104.394,19.075 104.394,19.846 v1(105.156,20.608) C124.2@106.198,20.608
  Bottom Layer w0.3: v1(105.156,20.608) R98.2@106.198,20.608
AIN3: C119.2 R91.2 U28.10 | length 4.3
  Top Layer w0.3: U28.10@103.141,18.156 104.506,18.156 v1(105.156,18.806) C119.2@106.174,18.806
  Bottom Layer w0.3: v1(105.156,18.806) R91.2@106.174,18.806
AIN4: C135.2 R115.2 U28.9 | length 4.3
  Top Layer w0.3: U28.9@103.141,17.656 104.552,17.656 v1(105.156,17.052) C135.2@106.198,17.052
  Bottom Layer w0.3: v1(105.156,17.052) R115.2@106.198,17.052
AIN5: C131.2 R107.2 U28.8 | length 5.3
  Top Layer w0.3: U28.8@103.141,17.156 103.986,17.156 104.394,16.748 104.394,16.036 v1(105.156,15.274) C131.2@106.198,15.274
  Bottom Layer w0.3: v1(105.156,15.274) R107.2@106.198,15.274
AIN6: C125.2 R99.2 U28.7 | length 6.1
  Top Layer w0.3: U28.7@103.141,16.656 103.632,16.165 103.632,15.02 v1(105.156,13.496) C125.2@106.186,13.496
  Bottom Layer w0.3: v1(105.156,13.496) R99.2@106.186,13.496
AIN7: C118.2 R90.2 U28.6 | length 3.9
  Top Layer w0.3: v1@102.341,14.004 U28.6@102.341,15.856 ; C118.2@102.362,12.962 v1(102.362,14.004)
  Bottom Layer w0.3: R90.2@102.362,12.962 v1(102.362,14.004)
ANI0: CON6.A19 D19.1 L37.1 | length 42.5
  Top Layer w0.3: L37.1@135.758,26.192 v1(137.033,26.192) ; D19.1@144.78,27.763 148.026,27.763 149.246,26.543 152.908,26.543 153.416,26.035 153.416,22.987 153.894,22.509 157.438,22.509 CON6.A19@158.4,21.547
  Signal 1 w0.3: v1(137.033,26.192) 140.716,22.509 157.438,22.509 CON6.A19@158.4,21.547
ANI1: CON6.B20 D17.1 L35.1 | length 37.9
  Top Layer w0.3: L35.1@135.758,23.855 v1@136.957,23.855 ; D17.1@144.78,24.461 144.86,24.541 151.076,24.541 151.428,24.19 151.428,20.955 151.837,20.546 155.401,20.546 CON6.B20@156.4,19.547
  Signal 1 w0.3: v1(137.033,23.779) 140.266,20.546 155.401,20.546 CON6.B20@156.4,19.547
ANI2: CON6.C21 D15.1 L31.1 | length 31.4
  Top Layer w0.3: L31.1@135.758,21.455 v1(137.033,21.455) ; D15.1@144.78,21.159 146.354,21.159 147.417,20.096 148.069,20.096 149.63,18.535 153.412,18.535 CON6.C21@154.4,17.547
  Signal 1 w0.3: v1(137.033,21.455) 137.534,21.455 140.454,18.535 153.412,18.535 CON6.C21@154.4,17.547
ANI3: CON6.A21 D14.1 L28.1 | length 38.7
  Top Layer w0.3: L28.1@135.758,19.08 v1(137.033,19.08) ; D14.1@144.78,17.862 145.894,17.862 147.21,16.546 157.399,16.546 CON6.A21@158.4,17.547
  Signal 1 w0.3: v1(137.033,19.08) 139.567,16.546 157.399,16.546 CON6.A21@158.4,17.547
ANI4: CON6.B22 D20.1 L38.1 | length 36.4
  Top Layer w0.3: L38.1@135.758,16.683 v1@137.017,16.683 ; D20.1@144.78,14.614 144.789,14.605 155.458,14.605 CON6.B22@156.4,15.547
  Signal 1 w0.3: v1(137.033,16.667) 137.384,16.667 141.537,12.514 151.076,12.514 151.428,12.866 151.428,14.263 151.77,14.605 155.458,14.605 CON6.B22@156.4,15.547
ANI5: CON6.C23 D18.1 L36.1 | length 34.7
  Top Layer w0.3: L36.1@135.758,14.258 v1@137.027,14.258 ; D18.1@144.78,11.38 146.225,11.38 147.034,10.571 153.201,10.571 153.416,10.786 153.416,12.563 CON6.C23@154.4,13.547
  Signal 1 w0.3: v1(137.033,14.264) 140.726,10.571 153.201,10.571 153.416,10.786 153.416,12.563 CON6.C23@154.4,13.547
ANI6: CON6.A23 D16.1 L32.1 | length 46.6
  Top Layer w0.3: L32.1@135.758,11.841 v1@137.028,11.841 ; D16.1@144.78,8.078 144.857,8.001 154.94,8.001 155.448,8.509 155.448,12.065 155.897,12.514 157.367,12.514 CON6.A23@158.4,13.547
  Signal 1 w0.3: v1(137.033,11.836) 140.868,8.001 154.94,8.001 155.448,8.509 155.448,12.065 155.897,12.514 157.367,12.514 CON6.A23@158.4,13.547
ANI7: CON6.B24 D13.1 L27.1 | length 46.5
  Top Layer w0.3: L27.1@135.758,9.428 v1(137.033,9.428) ; D13.1@144.78,4.776 146.381,4.776 147.629,6.024 156.011,6.024 157.46,7.473 157.46,10.487 CON6.B24@156.4,11.547
  Signal 1 w0.3: v1(137.033,9.428) 140.437,6.024 156.011,6.024 157.46,7.473 157.46,10.487 CON6.B24@156.4,11.547
BOARD_TEMP: U2.C13 U22.2 | length 16.6
  Top Layer w0.102: v3(47.042,52.935) U2.C13@47.435,53.328 ; v2(47.168,40.462) 47.843,39.787 U22.2@48.123,39.787
  Signal 1 w0.102: v3(47.042,52.935) 45.772,52.935 45.428,52.591 45.428,41.77 46.101,41.097 46.533,41.097 v2(47.168,40.462)
BP_I2C_SCL: R160.2 U2.G17 U40.3 U44.9 | length 140.3
  Top Layer w0.102: v3(43.842,56.921) U2.G17@44.235,56.528 ; v2(77.013,47.346) 77.149,47.482 U40.3@78.58,47.482
  Top Layer w0.127: R160.2@96.353,66.65 97.423,66.65 v2(97.688,66.915) U44.9@99.74,66.915
  Signal 1 w0.102: v2(27.711,56.896) 30.709,56.896 31.064,56.54 43.461,56.54 v3(43.842,56.921)
  Signal 2 w0.102: v2(75.057,52.832) 76.022,51.867 76.022,47.854 76.53,47.346 v2(77.013,47.346)
  Bottom Layer w0.102: v2(27.711,56.896) 31.547,56.896 32.08,56.363 32.08,55.677 33.426,54.331 35,54.331 38.557,50.774 38.557,43.533 38.913,43.177 38.913,40.894 45.161,34.646 50.14,34.646 53.696,31.09 67.767,31.09 70.307,33.63 70.307,35.433 71.933,37.059 71.933,44.806 73.05,45.923 73.05,50.825 75.032,52.807 78.638,52.807 81.585,55.753 85.725,55.753 87.427,57.455 87.427,59.233 89.865,61.671 90.602,61.671 91.999,63.068 91.999,64.11 93.015,65.126 95.453,65.126 97.242,66.915 v2(97.688,66.915)
BP_I2C_SCL_5V: CON5.B9 U44.12 | length 54.2
  Top Layer w0.127: U44.12@105.34,66.915 v2(107.391,66.915)
  Bottom Layer w0.127: v2(107.391,66.915) 111.466,66.915 115.722,71.171 147.168,71.171 149.454,73.457 155.285,73.457 CON5.B9@156.4,74.572
BP_I2C_SCL_ISO: CON6.A14 L47.2 U41.1 | length 18.6
  Top Layer w0.254: L47.2@142.42,32.512 144.457,32.512 146.362,30.607 157.46,30.607 CON6.A14@158.4,31.547 ; 145.804,31.173 U41.1@145.804,32.639
BP_I2C_SDA: R159.2 U2.G16 U40.2 U44.8 | length 138.9
  Top Layer w0.102: v3(44.642,56.921) U2.G16@45.035,56.528 ; v2(77.241,48.997) 77.486,48.752 U40.2@78.58,48.752
  Top Layer w0.127: R159.2@96.353,67.92 97.333,67.92 v2(97.688,67.565) U44.8@99.74,67.565
  Signal 1 w0.102: v2(28.27,57.722) 32.194,57.722 32.588,57.328 44.235,57.328 v3(44.642,56.921)
  Signal 2 w0.102: v2(76.2,53.365) 76.479,53.086 76.479,49.378 76.86,48.997 v2(77.241,48.997)
  Bottom Layer w0.102: v2(28.27,57.722) 31.381,57.722 32.512,56.591 32.512,55.88 33.706,54.686 35.23,54.686 39.091,50.825 39.091,43.536 39.294,43.332 39.294,41.173 45.39,35.077 50.317,35.077 53.924,31.471 67.539,31.471 69.875,33.807 69.875,35.763 71.45,37.338 71.45,44.979 72.568,46.097 72.568,51.105 74.828,53.365 v2(76.2,53.365) 78.486,53.365 81.457,56.337 85.42,56.337 86.843,57.76 86.843,59.713 89.461,62.332 90.5,62.332 91.364,63.195 91.364,64.44 92.735,65.811 95.046,65.811 96.799,67.565 v2(97.688,67.565)
BP_I2C_SDA_5V: CON5.C9 U44.13 | length 52
  Top Layer w0.127: U44.13@105.34,67.565 v2(107.391,67.565)
  Bottom Layer w0.127: v2(107.391,67.565) 111.43,67.565 115.494,71.628 147.066,71.628 147.625,72.187 149.149,73.711 153.539,73.711 CON5.C9@154.4,74.572
BP_I2C_SDA_ISO: CON6.A12 L45.2 U41.5 | length 17.8
  Top Layer w0.254: L45.2@142.422,34.925 142.486,34.989 148.78,34.989 149.225,34.544 157.397,34.544 CON6.A12@158.4,35.547 ; U41.5@145.804,33.934 145.804,34.854 ; 145.868,34.79 146.05,34.973
CAN_RX: U2.H2 U31.1 | length 72.7
  Top Layer w0.102: U2.H2@56.235,57.328 v3(56.628,57.721) ; v3(59.664,57.721) 74.943,57.721 76.302,59.08 77.267,59.08 v2@77.318,59.131 ; v2(97.841,87.304) U31.1@99.765,87.304
  Signal 1 w0.102: v3(56.628,57.721) v3(59.664,57.721) ; v2(77.47,59.08) 78.334,59.08 78.74,59.487 78.74,59.829 79.858,60.947 79.858,63.119 78.969,64.008 76.733,64.008 76.098,64.643 76.098,68.199 80.62,72.72 91.872,72.72 96.926,77.775 96.926,79.07 95.936,80.061 95.936,85.369 v2@97.853,87.287
CAN_RX_5V: CON5.C1 U31.20 | length 52
  Top Layer w0.127: U31.20@105.365,87.304 v2(107.645,87.304)
  Signal 1 w0.127: v2(107.645,87.304) 108.191,87.304 111.438,90.551 113.157,90.551 114.021,91.415 123.292,91.415 124.104,90.602 131.674,90.602 132.74,91.669 153.303,91.669 CON5.C1@154.4,90.572
CAN_TX: U2.H1 U31.3 | length 71.5
  Top Layer w0.102: U2.H1@57.035,57.328 75.768,57.328 v2@76.657,58.217 ; v2(97.74,86.004) U31.3@99.765,86.004
  Signal 1 w0.102: v2(76.653,58.217) 78.232,58.217 79.248,59.233 79.248,59.715 80.289,60.757 80.289,63.297 79.121,64.465 76.987,64.465 76.53,64.922 76.53,68.021 80.772,72.263 91.999,72.263 97.307,77.572 97.307,79.35 96.393,80.264 96.393,85.166 97.231,86.004 v2(97.74,86.004)
CAN_TX_5V: CON5.C2 U31.18 | length 51.5
  Top Layer w0.127: U31.18@105.365,86.004 107.975,86.004 v2(108.585,86.614)
  Signal 1 w0.127: v2(108.585,86.614) 110.82,88.849 115.392,88.849 116.154,88.087 122.25,88.087 122.911,88.748 132.453,88.748 133.266,89.56 153.412,89.56 CON5.C2@154.4,88.572
DC-DCSTATUS: R75.2 U21.4 U30.5 | length 126.7
  Top Layer w0.102: U30.5@11.776,49.103 11.776,47.361 11.501,47.086 9.52,47.086 8.875,46.442 8.875,37.2 9.627,36.449 9.627,31.928 11.125,30.429 21.184,30.429 21.768,29.845 21.768,25.396 19.435,23.063 17.841,23.063 16.789,22.012 16.789,12.344 22.885,6.248 25.019,6.248 27.051,4.216 70.688,4.216 71.425,4.953 71.425,10.947 72.212,11.735 72.212,12.954 73.076,13.818 74.676,13.818 75.059,14.201 R75.2@75.059,14.933
  Top Layer w0.3: R75.2@75.059,14.933 U21.4@77.676,14.933
DC/DC-CONTROL: Q2.1 U30.9 | length 231.3
  Top Layer w0.102: U30.9@14.651,50.028 14.651,49.357 v2(15.113,48.895) ; v2@24.399,27.823 24.399,25.771 20.269,21.641 19.152,21.641 18.923,21.412 18.923,13.31 24.028,8.204 25.857,8.204 28.27,5.791 67.005,5.791 67.361,6.147 67.361,27.381 67.97,27.991 67.97,45.42 68.296,45.745 71.171,45.745 72.415,46.99 72.415,51.145 73.595,52.324 76.784,52.324 77.546,53.086 78.511,53.086 80.823,55.397 v2(86.665,55.397)
  Bottom Layer w0.102: v2(15.113,48.895) 15.113,47.754 14.171,46.812 9.89,46.812 9.296,46.219 9.296,37.465 9.982,36.779 9.982,32.487 11.349,31.12 21.102,31.12 v2@24.384,27.838 ; v2@86.641,55.396 88.189,56.944 88.189,58.953 89.052,59.817 90.754,59.817 92.507,58.064 94.996,58.064 96.774,59.842 101.371,59.842 103.505,57.709 105.817,57.709 106.883,58.775 106.883,62.967 108.356,64.44 110.287,64.44 114.325,68.478 129.642,68.478 130.535,69.372 Q2.1@132.146,69.372
  other v2: 24.409,27.864
DISPLAY_ENABLE: U30.3 U37.4 | length 36.5
  Top Layer w0.102: v2(6.876,56.228) 7.544,55.56 7.544,51.562 8.428,50.678 U30.3@10.851,50.678 ; U37.4@12.294,75.555 v2(13.452,75.555)
  Bottom Layer w0.102: v2(6.876,56.228) 6.172,56.932 6.172,74.473 6.172,75.209 6.518,75.555 v2(13.452,75.555)
DISPLAY_OVERCURRENT: R141.2 U30.2 U37.3 | length 30
  Top Layer w0.102: v2(7.493,56.693) 8.153,56.032 8.153,51.83 8.655,51.328 U30.2@10.851,51.328 ; v2(8.865,74.066) R141.2@9.851,74.066 ; R141.2@9.906,74.173 U37.3@9.906,75.555
  Bottom Layer w0.102: v2(7.493,56.693) 6.68,57.506 6.68,73.482 7.264,74.066 v2(8.865,74.066)
DISPLAY_RX: CON7.5 TP23.1 U2.H16 | length 69.5
  Top Layer w0.102: v3(44.642,57.721) U2.H16@45.035,57.328
  Signal 1 w0.102: v2(36.576,59.715) 37.059,59.715 38.659,58.115 44.248,58.115 v3(44.642,57.721)
  Signal 2 w0.102: CON7.5@5.263,86.14 7.959,86.14 10.391,88.572 17.346,88.572 18.593,87.325 18.593,63.221 v2(20.396,61.417)
  Bottom Layer w0.102: CON7.5@5.263,86.14 TP23.1@6.94,86.14 ; v2(20.396,61.417) 21.234,60.579 23.495,60.579 24.359,59.715 v2(36.576,59.715)
DISPLAY_TX: CON7.3 TP22.1 U2.F18 | length 73.8
  Top Layer w0.102: v3(43.042,56.121) U2.F18@43.435,55.728
  Signal 2 w0.102: CON7.3@5.263,83.6 8.111,83.6 9.144,84.633 9.144,86.639 10.566,88.062 17.094,88.062 18.186,86.97 18.186,62.738 v2(19.075,61.849) ; v2(30.429,56.121) v3(43.042,56.121)
  Bottom Layer w0.102: CON7.3@5.263,83.6 9.4,83.6 TP22.1@10,83 ; v2(19.075,61.849) 20.752,60.173 23.089,60.173 27.14,56.121 v2(30.429,56.121)
E_PWM_1A: CON6.A1 R169.2 | length 70.5
  Top Layer w0.254: R169.2@97.227,44.078 v1(98.274,44.078)
  Signal 1 w0.254: v1(98.274,44.078) 142.312,44.078 145.415,47.182 145.415,49.88 147.224,51.689 147.224,55.352 148.387,56.515 157.368,56.515 CON6.A1@158.4,57.547
E_PWM_1B: CON6.A3 R170.2 | length 67.7
  Top Layer w0.254: R170.2@97.227,42.3 v1(98.274,42.3)
  Signal 2 w0.254: v1(98.274,42.3) 99.305,42.3 99.974,41.631 103.2,41.631 104.267,42.697 142.997,42.697 148.814,48.514 148.971,48.514 149.479,49.022 149.479,50.171 149.868,50.56 150.963,50.56 151.384,50.98 151.384,52.149 151.765,52.53 157.383,52.53 CON6.A3@158.4,53.547
E_PWM_2A: CON6.B2 R171.2 | length 67.8
  Top Layer w0.254: R171.2@97.227,40.522 v1(98.274,40.522)
  Signal 1 w0.254: v1(98.274,40.522) 101.813,40.522 104.445,43.155 142.469,43.155 146.304,46.99 146.304,49.624 148.906,52.226 149.352,52.672 149.352,54.108 149.854,54.61 155.463,54.61 CON6.B2@156.4,55.547
E_PWM_2B: CON6.B4 R172.2 | length 66
  Top Layer w0.254: R172.2@97.227,38.744 v1(98.274,38.744)
  Signal 1 w0.254: v1(98.274,38.744) 106.273,38.744 109.693,42.164 143.51,42.164 147.828,46.482 151.003,46.482 151.384,46.863 151.384,48.252 151.688,48.556 153.077,48.556 153.416,48.895 153.416,50.054 153.957,50.595 155.448,50.595 CON6.B4@156.4,51.547
E_PWM_3A: CON6.A5 R173.2 | length 68.3
  Top Layer w0.254: R173.2@97.222,36.843 v1(98.269,36.843)
  Signal 1 w0.254: v1(98.269,36.843) 105.553,36.843 110.265,41.555 144.493,41.555 147.515,44.577 153.171,44.577 153.416,44.822 153.416,48.006 153.924,48.514 157.367,48.514 CON6.A5@158.4,49.547
E_PWM_3B: CON6.A7 R174.2 | length 66.8
  Top Layer w0.254: R174.2@97.222,35.065 v1(98.269,35.065)
  Signal 2 w0.254: v1(98.269,35.065) 106.185,35.065 111.379,40.259 147.447,40.259 147.71,40.522 152.908,40.522 153.416,41.03 153.416,42.164 153.797,42.545 155.067,42.545 155.448,42.926 155.448,43.942 156.083,44.577 157.43,44.577 CON6.A7@158.4,45.547
E_PWM_4A: CON6.B6 R175.2 | length 66.8
  Top Layer w0.254: R175.2@97.222,33.287 v1(98.269,33.287)
  Signal 1 w0.254: v1(98.269,33.287) 99.885,33.287 101.422,34.823 104.675,34.823 110.745,40.894 146.037,40.894 147.815,42.672 153.077,42.672 153.416,43.011 153.416,44.069 153.797,44.45 155.194,44.45 155.448,44.704 155.448,46.595 CON6.B6@156.4,47.547
E_PWM_4B: CON6.B8 R176.2 | length 68.1
  Top Layer w0.254: R176.2@97.222,31.427 v1(98.269,31.427)
  Signal 1 w0.254: v1(98.269,31.427) 104.833,31.427 112.014,38.608 155.194,38.608 155.448,38.862 155.448,40.285 155.676,40.513 157.194,40.513 157.43,40.749 157.43,42.517 CON6.B8@156.4,43.547
EEPROM-WP: U2.C19 U15.7 | length 36.2
  Top Layer w0.102: U15.7@11.311,59.792 v2(12.598,59.792) ; v2(23.393,57.048) 23.393,54.064 23.838,53.619 32.537,53.619 33.426,52.73 34.214,52.73 34.811,53.328 U2.C19@42.635,53.328
  Bottom Layer w0.102: v2(12.598,59.792) 16.358,59.792 18.212,57.937 22.504,57.937 v2(23.393,57.048)
EPWMSYNCI: U2.D19 U31.4 | length 135.3
  Top Layer w0.102: v2(24.003,54.61) 24.485,54.128 U2.D19@42.635,54.128 ; v2(94.742,85.354) U31.4@99.765,85.354
  Signal 1 w0.102: v2(24.003,54.61) 24.003,69.926 26.467,72.39 26.467,76.53 30.988,81.051 30.988,91.821 36.906,97.739 58.369,97.739 61.138,94.971 77.47,94.971 87.087,85.354 v2(94.742,85.354)
EPWMSYNCI_5V: CON5.C3 U31.17 | length 51.1
  Top Layer w0.127: U31.17@105.365,85.354 109.331,85.354 v2(110.82,86.843)
  Signal 1 w0.127: v2(110.82,86.843) 122.657,86.843 123.368,87.554 144.678,87.554 145.542,88.417 147.193,88.417 147.98,87.63 153.342,87.63 CON5.C3@154.4,86.572
EPWMSYNCO: U2.E17 U34.1 | length 136.3
  Top Layer w0.102: v3(43.842,55.321) U2.E17@44.235,54.928 ; v2(92.231,79.684) U34.1@99.765,79.684
  Signal 1 w0.102: v2(26.34,68.961) 26.34,69.367 26.746,69.774 26.746,70.282 29.286,72.822 29.286,76.886 31.979,79.578 31.979,91.161 37.363,96.545 57.582,96.545 60.528,93.599 76.788,93.599 90.703,79.684 v2(92.231,79.684) ; v2(26.416,62.23) 26.416,61.925 26.086,61.595 26.086,55.109 26.534,54.661 40.894,54.661 41.123,54.889 43.41,54.889 v3(43.842,55.321)
  Signal 2 w0.102: v2(26.34,68.961) 26.34,66.167 28.092,64.414 28.092,63.195 27.762,62.865 26.695,62.865 26.416,62.586 v2(26.416,62.23)
EPWMSYNCO_5V: CON5.C4 U34.20 | length 51.1
  Top Layer w0.127: U34.20@105.371,79.684 v2(110.597,79.684)
  Signal 1 w0.127: v2(110.597,79.684) 123.474,79.684 124.333,80.543 135.382,80.543 136.474,81.636 143.789,81.636 145.72,83.566 153.394,83.566 CON5.C4@154.4,84.572